# Altium PCB PCB1.PcbDoc
Units mm, origin at the board's own origin, x right, y up, seen from the top; angles counter-clockwise.
Board outline 65.5 x 46.25 mm, 2 copper layers (Top Layer, Bottom Layer); 45 components, 40 nets, 183 pads, 18 vias.
Unrouted connection lines stored in the file: 15.
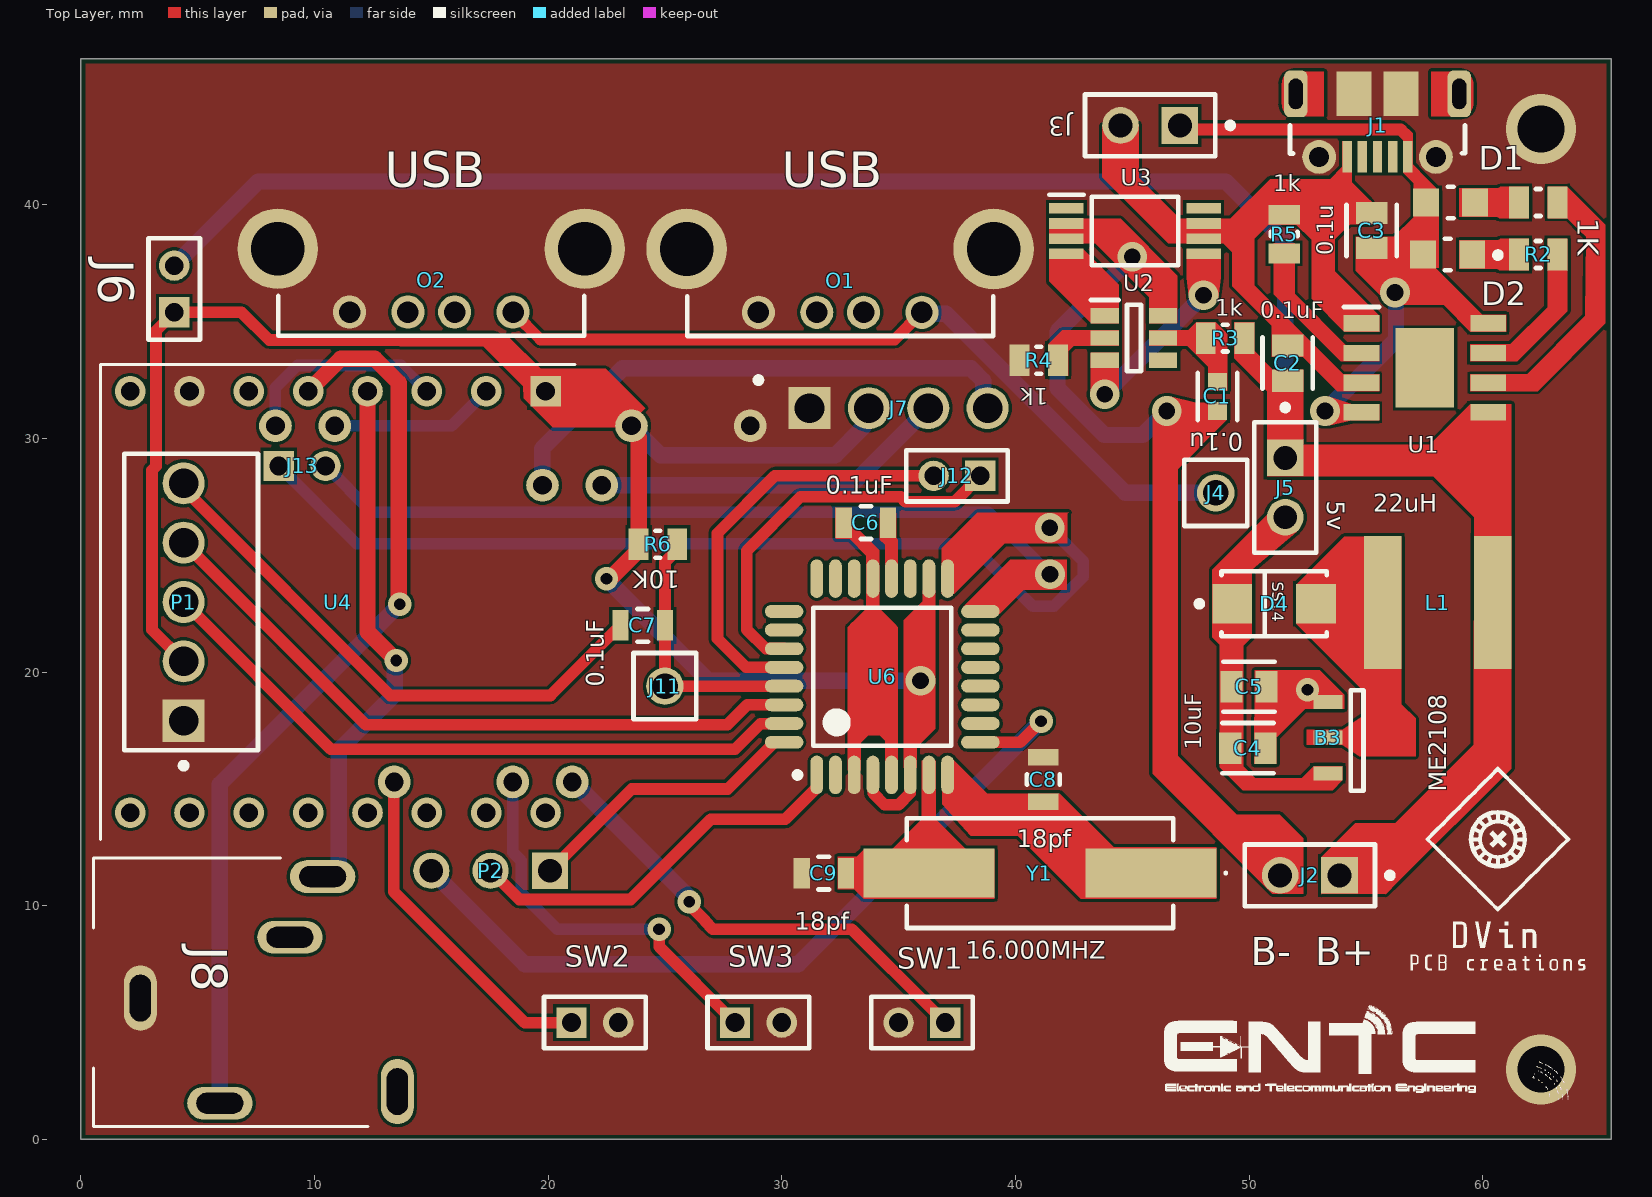
[diagram p0: Top Layer view]
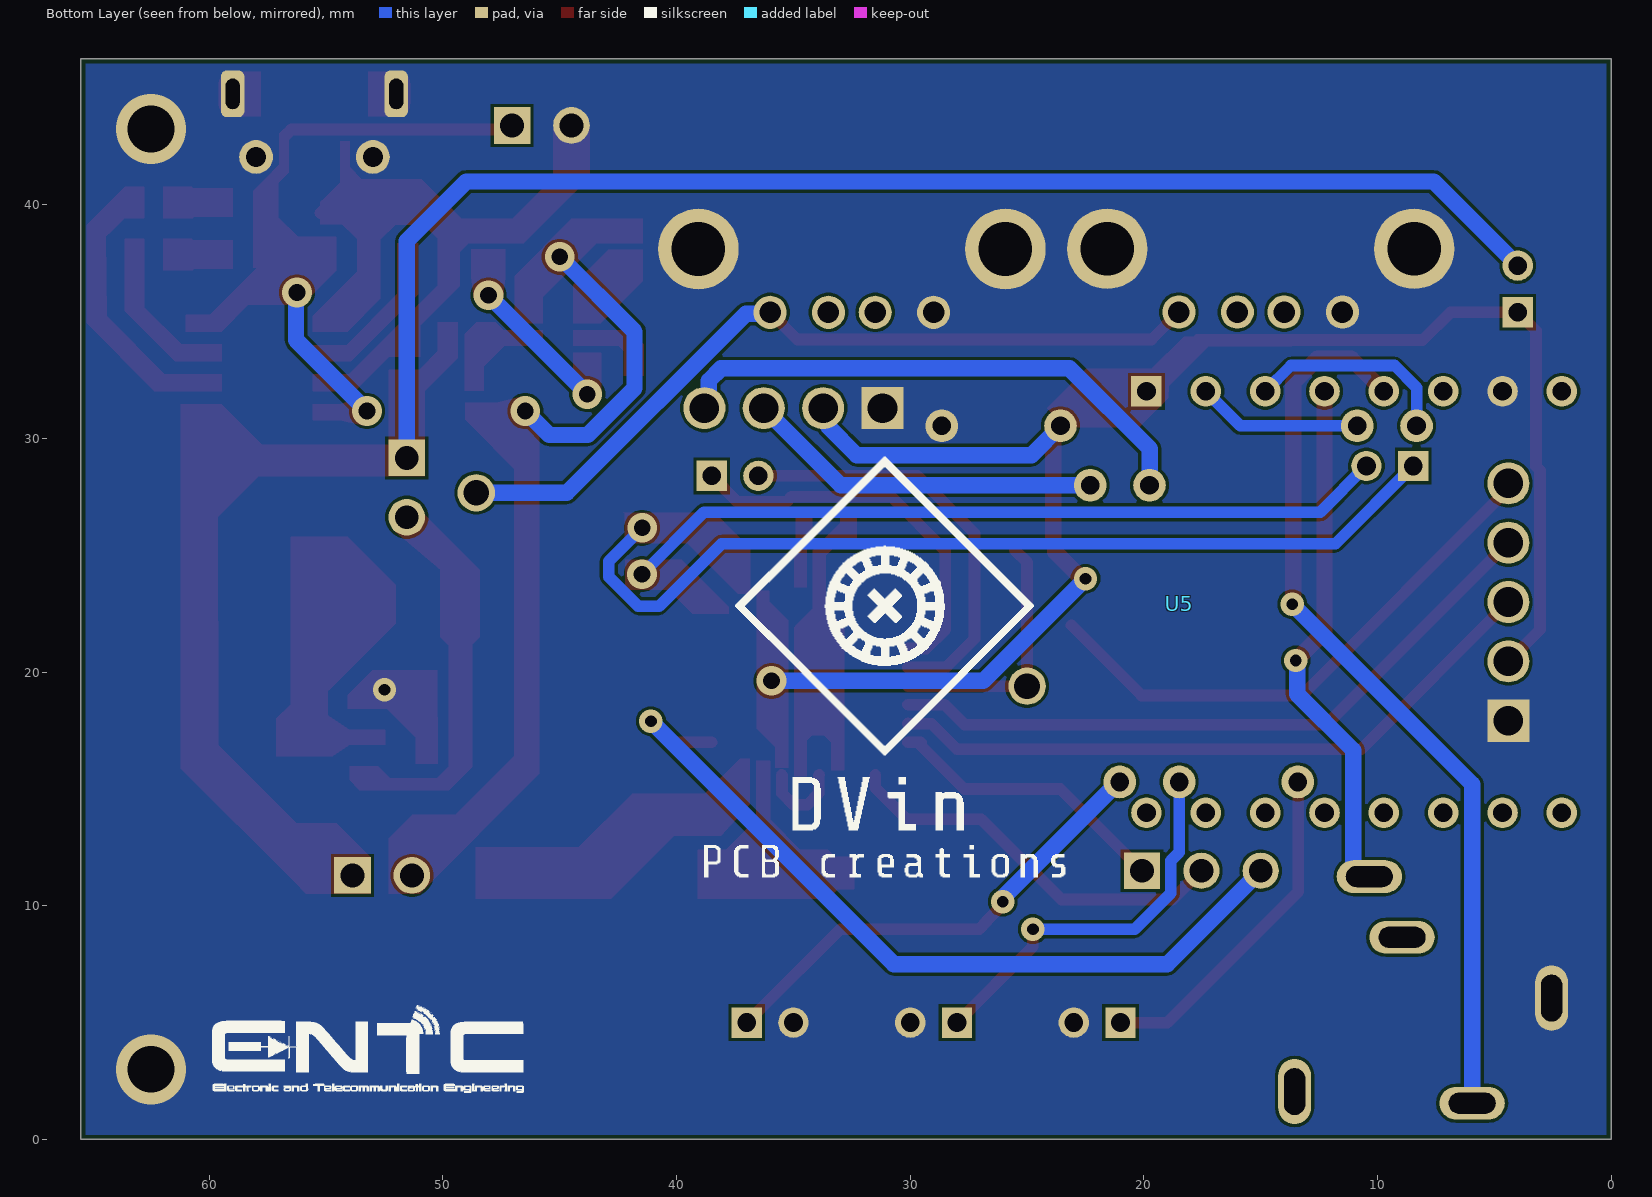
[diagram p1: Bottom Layer view, seen from below]
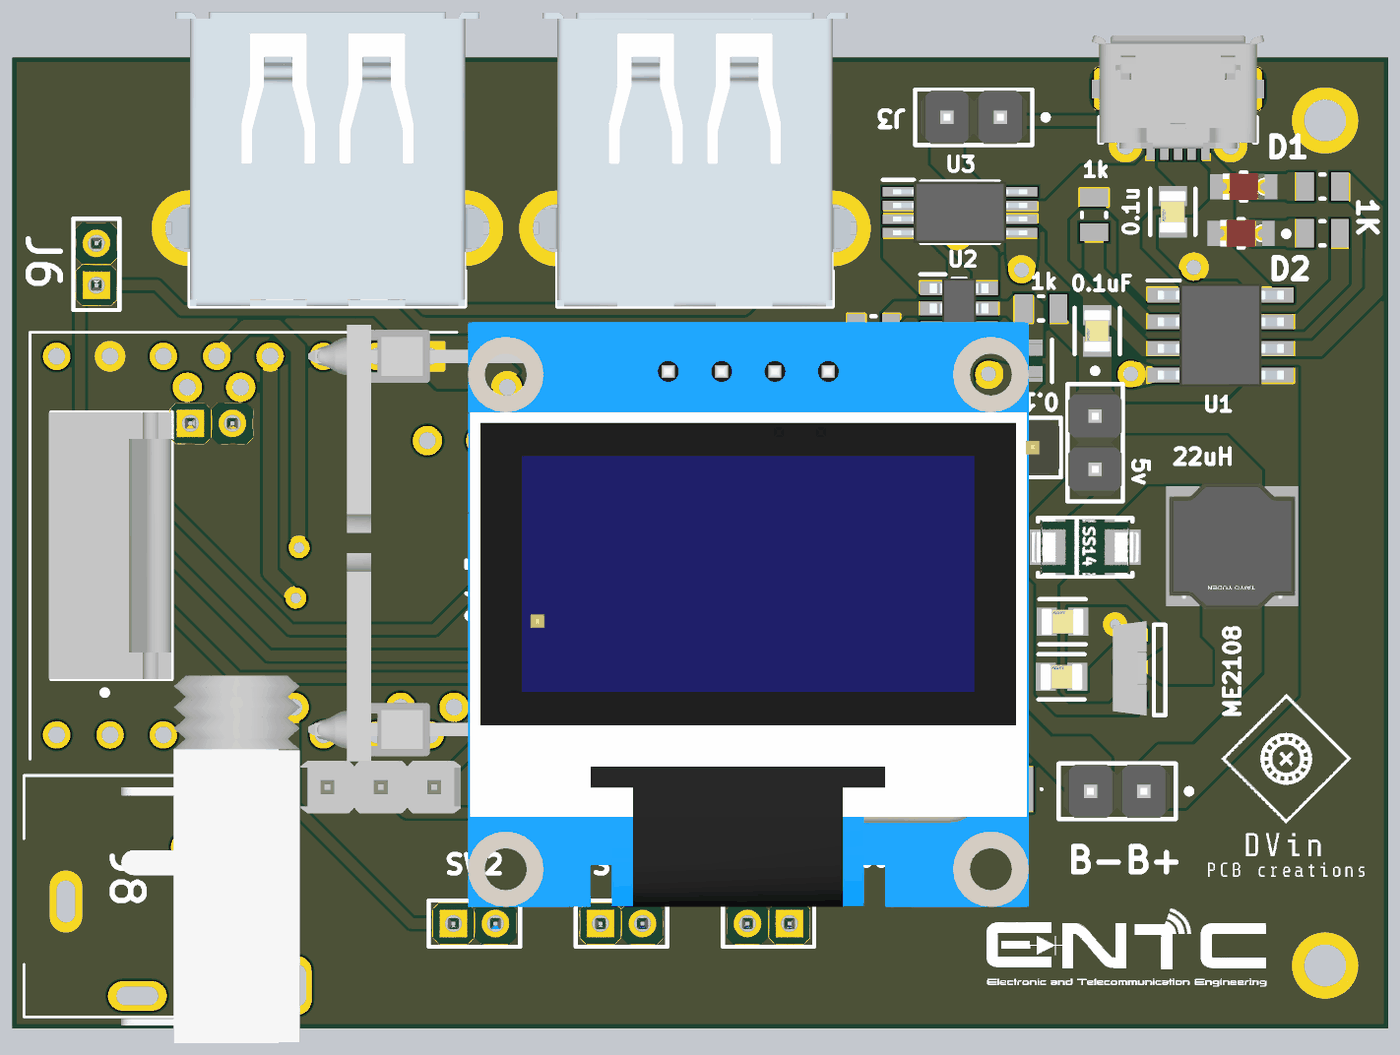
[diagram p2: 3D render of the assembled board from above, using the file's embedded part models]

## Layer stack, top to bottom
Top Solder: solder mask 0.0102, Solder Resist, Dk 3.5
Top Layer: signal copper 0.0356
Dielectric 1: dielectric 0.32, FR-4, Dk 4.8
Bottom Layer: signal copper 0.0356
Bottom Solder: solder mask 0.0102, Solder Resist, Dk 3.5

## Board outline
0,0 65.5,0 65.5,46.25 0,46.25

## Design rules (kind name [scope] priority, off if disabled: settings)
BoardOutlineClearance [All] p1: gap=0.2 ignorepadtopadclearanceinfootprint=FALSE
Clearance [All] p1: gap=0.127 ignorepadtopadclearanceinfootprint=FALSE except(0.25: Arc-Hole Track-Hole SMDPad-Hole THPad-Hole Via-Hole Fill-Hole Poly-Hole Region-Hole Text-Hole)
ComponentClearance [All] p1: gap=0.127 collisioncheckmode=3 verticalgap=0.127 showdistances=TRUE
DiffPairsRouting [All] p1: maxlimit=0.254 minlimit=0.127 mostfreqgap=0.127 toplayer_minwidth=0.127 toplayer_maxwidth=25.4 toplayer_prefwidth=0.127 bottomlayer_minwidth=0.127 bottomlayer_maxwidth=25.4 bottomlayer_prefwidth=0.127 maxuncoupledlength=12.7
Height [All] p1: minheight=0 maxheight=1816.048 prefheight=12.7
HoleSize [All] p1: absolutevalues=TRUE maxlimit=6.3 minlimit=0.3 maxpercent=80.000 minpercent=20.000
HoleToHoleClearance [All] p1: gap=0.25 allowstackedmicrovias=FALSE
MinimumAnnularRing [All] p1: minimumring=0.076
MinimumSolderMaskSliver [All] p1: minsoldermaskwidth=0
PlaneClearance [All] p1: clearance=0.127
PlaneConnect PlaneConnectPowerPads [InPadClass('PowerPads')] p1: planeconnectstyle=Direct reliefexpansion=0.508 reliefentries=4 reliefconductorwidth=0.254 reliefairgap=0.254
PlaneConnect [All] p2: pad.planeconnectstyle=Relief pad.reliefexpansion=0.3 pad.reliefentries=4 pad.reliefconductorwidth=0.127 pad.reliefairgap=0.127 via.planeconnectstyle=Direct via.reliefexpansion=0.3 via.reliefentries=4 via.reliefconductorwidth=0.127 via.reliefairgap=0.127
PolygonConnect PolygonConnectPowerPads [All vs (InPadClass('PowerPads'))] p1: connectstyle=Direct reliefconductorwidth=0.254 reliefentries=4 polygonreliefangle="90 Angle" airgapwidth=0.254
PolygonConnect [All] p2: connectstyle=Direct reliefconductorwidth=0.127 reliefentries=4 polygonreliefangle="90 Angle" airgapwidth=0.127
RoutingVias [All] p1: holewidth=0.3 width=0.6 viastyle="Through Hole" minholewidth=0.3 minwidth=0.6 maxholewidth=0.6 maxwidth=6.6
SilkToSilkClearance [All] p1: silktosilkclearance=0
SilkToSolderMaskClearance [IsPad] p1: minsilkscreentomaskgap=0.127 clearancetoexposedcopper=TRUE
SolderMaskExpansion [All] p1: expansion=0.075 istentingtop=FALSE
Width [All] p1: maxlimit=25.4 minlimit=0.127 preferedwidth=0.127 minimp=50.000000 maximp=50.000000 favimp=50.000000
20 further rules are at their usual default settings.

## Classes and differential pairs
component class MCU: C6 C7 C8 C9 J11 J12 J13 P1 P2 R6 U6 Y1
component class power: 0.1U 1K B3 C1 C2 C3 C4 C5 D1 D2 D4 in J3 J12 L1 O1 O2 R2 R3 R4 R5 U1 U2 U3
component class MP3: J1 J7 J12 SW1 SW2 SW3 U4 U5

## Components (designator, comment, footprint, x,y, rotation, side; value= is the part's Value field where it differs from the comment)
1K "1k" RESC2013X50X30LL20T20 62.375,40.1 r0 top
B3 "ME2108" SOT95P250X130-3N 53.375,18.73 r0 top
C1 "0.1u" FP-CL10-IPC_C 48.65,31.8 r270 top
C2 "0.1uF" FP-C0805C-DN-MFG 51.65,33.225 r90 top value="0.22 μF"
C3 "0.1u" FP-C0805C-DN-MFG 55.25,38.9 r90 top value="0.22 μF"
C4 "10uF" FP-C0805C-DN-MFG 49.95,16.75 r0 top value="0.22 μF"
C5 "10uF" FP-C0805C-DN-MFG 50,19.375 r0 top value="0.22 μF"
C6 "0.1uF" FP-GRM21B-0_15-MFG 33.6,26.4 r180 top
C7 "0.1uF" FP-GRM21B-0_15-MFG 24.05,22 r180 top
C8 "18pf" FP-GRM21B-0_15-MFG 41.2,15.4 r90 top
C9 "18pf" FP-GRM21B-0_15-MFG 31.8,11.4 r180 top
D1 "150080SS75000" FP-150080SS75000-MFG 58.625,40.1 r180 top
D2 "150080SS75000" FP-150080SS75000-MFG 58.5,37.875 r180 top
D4 "SS14" FP-95400-MFG 51.075,22.925 r0 top
J1 "105017-0001" USB-MICRO-B_V 55.5,43.4 r180 top
J2 "Battery" FP-M20-9990246-MFG 52.6,11.3 r180 top
J3 "Vin" FP-M20-9990246-MFG 45.77,43.4 r180 top
J4 "61300111121" 61300111121 48.575,27.675 r90 top
J5 "Output" FP-M20-9990246-MFG 51.55,27.9 r270 top
J6 "SW_Mp3_p" FP-M22-2510205-MFG 4,36.4 r90 top
J7 "OLED1" TECO-640456-4 35,31.3 r0 top locked
J8 "3.5 jack" SWITCHCRAFT_35RAPC3BH3 5.8,6.3 r0 top
J11 "61300111121" 61300111121 25,19.4 r90 top
J12 "Mp3_p" FP-M22-2510205-MFG 37.5,28.4 r180 top
J13 "Mp3_p" FP-M22-2510205-MFG 9.475,28.825 r0 top
L1 "22uH" FP-NR6045-MFG 58.075,22.975 r180 top
O1 "61400416021" 61400416021 32.5,41.39 r180 top
O2 "61400416021" 61400416021 15,41.4 r180 top
P1 "Program" TECO-640456-5 4.4,23 r270 top
P2 "Control" MOLX-22-28-4033_V 17.54,11.5 r180 top
R2 "1k" RESC2013X50X30LL20T20 62.375,37.875 r0 top
R3 "1k" RESC2013X50X30LL20T20 48.975,34.3 r180 top
R4 "1k" RESC2013X50X30LL20T20 41,33.35 r0 top
R5 "1k" RESC2013X50X30LL20T20 51.5,38.75 r270 top
R6 "10K" RESC2013X50X30LL20T20 24.7,25.475 r180 top
SW1 "Left" FP-M22-2510205-MFG 36,5 r180 top
SW2 "Select" FP-M22-2510205-MFG 22,5 r0 top
SW3 "Right" FP-M22-2510205-MFG 29,5 r0 top
U1 "TC4056A" SOIC127P600X175-9N 57.525,33.025 r0 top
U2 "DW01A" SOT95P280X135-6N 45.075,34.3 r0 top
U3 "FS8205A" SOP65P640X120-8N 45.175,38.75 r0 top
U4 "DFR0299" MODULE_DFR0299 11,23 r270 top
U5 "DEV_pro mini" "PCBComponent_1 - duplicate" 31.19,15.3 r90 bottom
U6 "ATmega328P-AN" 32A_N 34.3,19.8 r90 top
Y1 "16.000MHZ" ABLS 41.05,11.4 r180 top

## Footprints (in the part's own frame and the unit in brackets; to place one, negate y for a bottom-side part, rotate by r counter-clockwise, add the part's x,y. Pads: shape width x height; smd on the part's side, far side on the other; paste and mask are expansions set on the pad)
32A_N [mm] "Thin QFP, 32-Leads, Body 7x7mm, Pitch 0.8mm, IPC Medium Density"
  oval 1.65x0.55 smd: 1(-4.2,2.8) 2(-4.2,2) 3(-4.2,1.2) 4(-4.2,0.4) 5(-4.2,-0.4) 6(-4.2,-1.2) 7(-4.2,-2) 8(-4.2,-2.8) 17(4.2,-2.8) 18(4.2,-2) 19(4.2,-1.2) 20(4.2,-0.4) 21(4.2,0.4) 22(4.2,1.2) 23(4.2,2) 24(4.2,2.8)
  oval 0.55x1.65 smd: 9(-2.8,-4.2) 10(-2,-4.2) 11(-1.2,-4.2) 12(-0.4,-4.2) 13(0.4,-4.2) 14(1.2,-4.2) 15(2,-4.2) 16(2.8,-4.2) 25(2.8,4.2) 26(2,4.2) 27(1.2,4.2) 28(0.4,4.2) 29(-0.4,4.2) 30(-1.2,4.2) 31(-2,4.2) 32(-2.8,4.2)
  silkscreen extent -4.32,-2.95 2.95,3.75, body extent -3.5,-3.5 3.5,3.5, height 1.2
61300111121 [mm]
  round 1.6 hole 1.1: 1(0,0)
  silkscreen extent -1.42,-1.35 1.42,1.35, body extent -1.27,-1.27 1.27,1.27, height 8.57
61400416021 [mm]
  round 1.42 hole 0.92: 1(-3.5,5.99) 2(-1,5.99) 3(1,5.99) 4(3.5,5.99)
  round 3.45 hole 2.3: Shell(-6.57,3.28) Shell(6.57,3.28)
  silkscreen extent -6.55,5.3 6.55,7, body extent -8,-7 8,7, height 7.63
ABLS [mm]
  rect 5.6x2.1 smd: 1(-4.75,0) 2(4.75,0)
  silkscreen extent -8,-2.35 5.7,2.35, body extent -6.35,-2.35 6.35,2.35, height 4.2
FP-95400-MFG [mm]
  rect 1.7x1.68 smd paste+0 mask+0: 1(-1.79,0) 2(1.79,0)
  silkscreen extent -3.32,-1.4 2.25,1.4, body extent -2.74,-1.5 2.74,1.5, height 0.25
FP-150080SS75000-MFG [mm]
  rect 1.1x1.2 smd paste+0 mask+0: 1(-1.05,0) 2(1.05,0)
  silkscreen extent -0.13,-0.67 0.13,0.67, body extent -1.7,-0.77 1.7,0.77, height 0.25
FP-C0805C-DN-MFG [mm]
  rect 0.95x1.35 smd paste+0 mask+0: 1(-0.75,0) 2(0.75,0)
  silkscreen extent -1.1,-1.07 1.1,1.07, body extent -1.4,-0.85 1.4,0.85, height 0.25
FP-CL10-IPC_C [mm]
  rect 0.758x0.812 smd paste+0 mask+0: 1(-0.627,0) 2(0.627,0)
  silkscreen extent -1.01,-0.85 1.01,0.85, body extent -1.11,-0.55 1.11,0.55, height 0.25
FP-GRM21B-0_15-MFG [mm]
  rect 0.7x1.3 smd paste+0 mask+0: 1(-0.95,0) 2(0.95,0)
  silkscreen extent -0.23,-0.7 0.23,0.7, body extent -1.4,-0.8 1.4,0.8, height 0.25
FP-M20-9990246-MFG [mm]
  rect 1.57x1.57 hole 1.02 paste-1000 mask+0: 1(-1.27,0)
  round 1.57 hole 1.02 paste-1000 mask+0: 2(1.27,0)
  silkscreen extent -3.55,-1.32 2.79,1.32, body extent -2.89,-1.42 2.89,1.42, height 0.25
FP-M22-2510205-MFG [mm]
  rect 1.3x1.3 hole 0.8 paste-1000 mask+0: 1(-1,0)
  round 1.3 hole 0.8 paste-1000 mask+0: 2(1,0)
  silkscreen extent -2.17,-1.1 2.17,1.1, body extent -2.27,-1.2 2.27,1.2, height 0.25
FP-NR6045-MFG [mm]
  rect 1.6x5.7 smd paste+0 mask+0: 1(-2.35,0) 2(2.35,0)
  body extent -3.25,-3.2 3.25,3.2, height 0.25
MODULE_DFR0299 [mm]
  rect 1.308x1.308 hole 0.8: 1(-9.017,8.89)
  round 1.308 hole 0.8: 2(-9.017,6.35) 3(-9.017,3.81) 4(-9.017,1.27) 5(-9.017,-1.27) 6(-9.017,-3.81) 7(-9.017,-6.35) 8(-9.017,-8.89) 9(9.017,-8.89) 10(9.017,-6.35) 11(9.017,-3.81) 12(9.017,-1.27) 13(9.017,1.27) 14(9.017,3.81) 15(9.017,6.35) 16(9.017,8.89)
  silkscreen extent -10.16,-10.16 10.16,10.16, body extent -10.53,-13.06 10.27,10.4, height 5.8
MOLX-22-28-4033_V [mm] "THD, 3-Leads, Body 7.62x2.49mm, Pitch 2.54mm"
  rect 1.55x1.55 hole 1.02: 1(-2.54,0)
  round 1.55 hole 1.02: 2(0,0) 3(2.54,0)
  body extent -3.81,-1.24 3.81,1.24, height 8.38
"PCBComponent_1 - duplicate" [mm]
  round 1.4 hole 0.8: 5(0,-10.16) 6(0,-12.7) 8(0,-17.78) 15(15.24,-22.86) 16(15.24,-20.32) 21(15.24,-7.62) 23(15.24,-2.54) 25(12.7,-11.43) 26(12.7,-8.89)
RESC2013X50X30LL20T20 [mm] "Chip Resistor, 2-Leads, Body 2.00x1.25mm, IPC High Density"
  rect 0.85x1.35 smd: 1(-0.825,0) 2(0.825,0)
  silkscreen extent -0.1,-0.58 0.1,0.58, body extent -1.1,-0.72 1.1,0.72, height 0.5
SOIC127P600X175-9N [mm]
  rect 1.525x0.7 smd: 1(-2.712,1.905) 2(-2.712,0.635) 3(-2.712,-0.635) 4(-2.712,-1.905) 5(2.712,-1.905) 6(2.712,-0.635) 7(2.712,0.635) 8(2.712,1.905)
  rect 2.513x3.402 smd: 9(0,0)
  silkscreen extent -3.47,2.61 -1.95,2.61, body extent -3,-2.45 3,2.45, height 1.75
SOP65P640X120-8N [mm]
  rect 1.475x0.45 smd: 1(-2.993,1.102) 2(-2.993,0.452) 3(-2.993,-0.198) 4(-2.993,-0.848) 5(2.883,-0.848) 6(2.883,-0.198) 7(2.883,0.452) 8(2.883,1.102)
  silkscreen extent -3.73,-1.34 1.79,1.68, body extent -3.26,-1.34 3.15,1.59, height 1.2
SOT95P250X130-3N [mm]
  rect 1.25x0.6 smd: 1(0,0) 2(0,-1.53) 3(0,-3.06)
  Top Layer region: 0.625,-1.225 1.35,-0.725 3.75,-0.725 3.75,-2.325 1.35,-2.325 0.625,-1.825
  silkscreen extent 0.97,-3.81 1.53,0.5, body extent -0.72,-3.83 3.52,0.67, height 1.6
SOT95P280X135-6N [mm]
  rect 1.2x0.65 smd: 1(-1.25,0.95) 2(-1.25,0) 3(-1.25,-0.95) 4(1.25,-0.95) 5(1.25,0) 6(1.25,0.95)
  silkscreen extent -1.85,-1.43 0.3,1.63, body extent -1.4,-1.43 1.4,1.43, height 1.35
SWITCHCRAFT_35RAPC3BH3 [mm]
  oval 1.4x2.8 hole 0.9 slot 2 at 90 deg: 1(-3.25,-0.25) 4(7.75,-4.25)
  oval 2.8x1.4 hole 0.9 slot 2 at 0 deg: 2(4.55,4.95) 3(3.15,2.35) 5(0.15,-4.75)
  silkscreen extent -5.25,-5.75 6.5,5.75, body extent -8.61,-5.75 8.89,5.75, height 6
TECO-640456-4 [mm]
  rect 1.8x1.8 hole 1.27 paste+0: 1(-3.81,0)
  round 1.8 hole 1.27 paste+0: 2(-1.27,0) 3(1.27,0) 4(3.81,0)
  silkscreen extent -6.13,1.07 -5.87,1.33, body extent -13.35,-25.51 13.35,2.35, height 5
TECO-640456-5 [mm] "Through Hole, 5-Leads, Body 12.7x5.72mm, Pitch 2.54mm"
  rect 1.8x1.8 hole 1.27 paste+0: 1(5.08,0)
  round 1.8 hole 1.27 paste+0: 2(2.54,0) 3(0,0) 4(-2.54,0) 5(-5.08,0)
  silkscreen extent -6.35,-2.54 7.13,3.18, body extent -6.35,-2.67 6.35,3.18, height 10.29
USB-MICRO-B_V [mm] "USB, MICRO B, Body 7.491x4.695 mm, Pitch 0.65 mm"
  rect 0.4x1.35 smd: 1(-1.3,1.35) 2(-0.65,1.35) 3(0,1.35) 4(0.65,1.35) 5(1.3,1.35)
  round 1.45 hole 0.85: 6(-2.5,1.35) 7(2.5,1.35)
  rrect50% 1x2 hole 0.6 slot 1.3 at 90 deg: 8(-3.5,-1.35) 11(3.5,-1.35)
  rect 1.5x1.9 smd: 9(-1,-1.35) 10(1,-1.35)
  Top Layer circle w0.5: c3.6,-0.9 r0.25
  Top Layer circle w0.5: c3.6,-1.8 r0.25
  Top Layer circle w0.5: c-3.6,-0.9 r0.25
  Top Layer circle w0.5: c-3.6,-1.8 r0.25
  Top Layer region: -2.3,-2.3 -2.3,-0.4 -3.6,-0.4 -3.6,-2.3
  Top Layer region: 2.3,-0.4 2.3,-2.3 3.6,-2.3 3.6,-0.4
  Top Layer region: 3.6,-0.9 3.6,-1.8 4.1,-1.8 4.1,-0.9
  Top Layer region: -3.6,-1.8 -3.6,-0.9 -4.1,-0.9 -4.1,-1.8
  silkscreen extent -3.75,-0.01 3.75,1.2, body extent -4.1,-3.9 4.1,1.5, height 2.67

## Part data
1K R2 R3 R4 R5 R6: library part CMP-2001-04896-1, Manufacturer="Vishay Dale", Part Number=CRCW08050000Z0EA
B3: library part ME2108A33M3G, "6.5V 400mA SOT-23(SOT-23-3) DC-DC Converters RoHS", Manufacturer_Name=Microne, Datasheet Link=https://datasheet.lcsc.com/szlcsc/Nanjing-Micro-One-Elec-ME2108A50M3G_C14839.pdf, Geometry.Height=1.3mm, Manufacturer_Part_Number=ME2108A33M3G
C1: library part CMP-13271-003283-1, "Cap Ceramic 100nF 16V X7R ±5% Pad SMD 0603 +125°C T/R", Capacitance=100nF, Case/Package=0603, Dielectric=X7R, Max Operating Temperature=125°C, Min Operating Temperature=-55°C, Package Quantity=10000, Tolerance=5%, Voltage Rating=16V, Depth=0.8mm, Height=0.8mm, Lead Free="Lead Free", Length=1.6mm, Material=Ceramic, Mount="Surface Mount", Packaging="Tape and Reel", Radiation Hardening=No, Thickness=0.035inch, Voltage Rating (DC)=16V, Width=0.031inch
C2 C3 C4 C5: library part CMP-1036-04552-2, "CAP CER 0.22UF 50V X7R 0805", Capacitance="0.22 μF", Manufacturer=KEMET, Manufacturer Part Number=C0805C224K5RACTU, Package=C0805C-DN, Temperature="-55°C to +125°C", Temperature Characteristic=X7R, Temperature Coefficient=30ppm/°C, Temperature Range High=+125°C, Temperature Range Low=-55°C, Tolerance=0.1, Voltage Rating="50 V", Automotive=No, Category=Cap, ComponentLink2Description=Datasheet, ComponentLink2URL=https://content.kemet.com/datasheets/KEM_C1003_C0G_SMD.pdf, Device Class L1="Passive Components", Device Class L2=Capacitors, Device Class L3="Ceramic Capacitors", Digikey Description="CAP CER 0.22UF 50V X7R 0805", Height=0.88mm, Ipc Land Pattern Name=CAPC200125X78, Lead Free=Yes, Material=Ceramic, Mouser Description="CAP CER 0.22UF 50V X7R 0805", Octopart=https://octopart.com/c0805c224k5ractu-kemet-144670, RoHS=TRUE
C6 C7 C8 C9: library part CMP-2007-03385-2, "Chip Multilayer Ceramic Capacitors for General Purpose, 0805, 22uF, X5R, 15%, 20%, 6.3V", Capacitance=22uF, Case Code (Imperial)=0805, Case Code (Metric)=2012, Dielectric=X5R, Max Operating Temperature=85°C, Min Operating Temperature=-55°C, Package Quantity=1, Tolerance=20%, Voltage=6.3V, Case/Package=0805, Depth=1.25mm, Height=1.25mm, Lead Free="Lead Free", Length=2mm, Material=Ceramic, Mount="Surface Mount", Packaging="Tape and Reel", Radiation Hardening=No, REACH SVHC="No SVHC", Termination=SMD/SMT, Thickness=0.053inch, Voltage Rating=6.3V, Voltage Rating (DC)=6.3V, Width=0.049inch
D1 D2: library part CMP-1426-00010-2, "LED RED CLEAR 0805 SMD", Case Code (Imperial)=0805, Case Code (Metric)=2012, Color=Red, Forward Current=30mA, Forward Voltage=1.9V, Lens Color=Colorless, Max Operating Temperature=85°C, Min Operating Temperature=-40°C, Package Quantity=1, Test Current=20mA, Case/Package=0805, Dominant Wavelength=630nm, Height=0.8mm, Length=2mm, Lens Size=1.25mm, Lens Style=Clear, Lens Transparency=Clear, Luminous Intensity=60mcd, Mount="Surface Mount", Packaging="Cut Tape", RoHS Compliant=Yes, Series=WL-SMCW, Viewing Angle=140°, Wavelength=630nm, Width=1.25mm
D4: library part CMP-02539-000035-1, "DIODE SCHOTTKY 40V 1A DO214AC", Forward Current=1A, Manufacturer=Vishay, Manufacturer Part Number=SS14-E3/61T, Max Junction Temp=+150°C, Max Repetitive Reverse Voltage=40V, Max Surge Forward Current=40A, Package=95400, Peak Reverse Current=0.2mA, Temperature="-65°C to +150°C", Temperature Range Low=-65°C, Automotive=No, Category=Diode, ComponentLink2Description=Datasheet, ComponentLink2URL=http://www.vishay.com/docs/88746/ss12.pdf, Device Class L1="Discrete Semiconductors", Device Class L2=Diodes, Device Class L3="Schottky Diodes", Digikey Description="DIODE SCHOTTKY 40V 1A DO214AC", Footprint Url=http://www.vishay.com/docs/95400/sma.pdf, Height=2.29mm, Lead Free=Yes, Mouser Description="SS14 Series 40 V 1 A Surface Mount Schottky Barrier Rectifier - DO-214AC (SMA)", Octopart=https://octopart.com/ss14-e3%2F61t-vishay-39552847, RoHS=TRUE, Standoff Height=0mm, Temperature Range High=+150°C
J1: library part CMP-2000-05827-1, "Micro-USB B Receptacle, Right Angle, Bottom Mount, Surface Mount, with Solder Tabs, -30 to 85 degC, 5-Pin USB, RoHS, Tape and Reel", Manufacturer=Molex, Package Description="5-Leads USB, Micro B, Body 7.5 x 5 mm, Pitch 0.65 mm", Package Reference=MICRO-B, Package Version="Rev. F, 12/2012", Standard Package=1, Voltage - Max=30V, 3D Model=105017-0001.stp, Catalog Drawings=1050170001, Category=Connectors,Interconnects, Circuits=5, Connector Type=USB-microB, Datasheet URL=http://www.molex.com/elqNow/elqRedir.htm?ref=http://www.molex.com/webdocs/datasheets/pdf/en-us/1050170001_IO_CONNECTORS.pdf, Datasheet Version=03/2016, Family=USB,DVI,HDMIConnectors, Featured Product=Micro-USBConnectorsUSBConnectors, Features=Shielded,SolderRetention, Gender=Receptacle, Ingress Protection=-, Manufacturer URL=http://www.molex.com/, Mating Products=WM17145-ND-CABLEMICROUSBBTOSTDA1.0MWM17147-ND-CABLEMICROUSBBTOSTDA2.0MWM17146-ND-CABLEMICROUSBBTOSTDA1.5M, Mounting Technology=SurfaceMount, Mounting Type=BoardCutout,SurfaceMount,RightAngle, Number of Contacts=5, Online Catalog=Molex-MicroUSB, Other Names=WM1399DKR, Package URL=http://www.molex.com/pdm_docs/sd/1050170001_sd.pdf, Packaging=Digi-Reel®, PCN Assembly/Origin=ResinSupplier21/Oct/2015, RoHS Information=1050170001CertofCompliance, Series=-, Specifications=-
J2 J3 J5: library part CMP-15831-000009-1, "CONN HEADER VERT 2POS 2.54MM", Current Rating=3A, Manufacturer=Harwin, Manufacturer Part Number=M20-9990246, Temperature="-40°C to +105°C", Temperature Range High=+105°C, Temperature Range Low=-40°C, Automotive=No, Category=Conn, ComponentLink2Description=Datasheet, ComponentLink2URL=https://cdn.harwin.com/pdfs/M20-999.pdf, Conn Gender=Male, Conn Orientation=Vertical, Contact Material=Tin,Nickel, Device Class L1=Connectors, Device Class L2="Headers and Wire Housings", Device Class L3=unset, Digikey Description="CONN HEADER VERT 2POS 2.54MM", Height=8.99mm, Lead Free=Yes, Mouser Description="2.54mm (0.1\") Pitch SIL Vertical PC Tail Pin Header, 6.1mm mating pin height, tin, 2 contacts", Number of Contacts=2, Number of Rows=1, Octopart=https://octopart.com/m20-9990246-harwin-2590635, Package=M20-9990246, Pitch=2.54mm, RoHS=TRUE
J4 J11: library part CMP-1502-01058-1, "THT Vertical Pin Header WR-PHD, Pitch 2.54 mm, Single Row, 1 pins", Contact Resistance=20mOhm, Manufacturer="Wurth Elektronik", Operating Temperature=-40to105degC, Rated Current=3A, Withstanding Voltage=500VAC, Working Voltage=250VAC, Datasheet URL=https://katalog.we-online.de/em/datasheet/6130xx11121.pdf, Gender=Male, Manufacturer Part Number=61300111121, Manufacturer URL=http://www.we-online.de, Mounting Technology=THT, Orientation=Vertical, Package Reference=61300111121, Packaging=Bag, Part Number=61300111121, Pin Number=1, Pitch=2.54mm, Publisher=WurthElektronik, Row Number=Single
J6 J12 J13 SW1 SW2 SW3: library part CMP-15831-000005-1, "CONN HEADER VERT 2POS 2MM", Current Rating=2A, Manufacturer=Harwin, Manufacturer Part Number=M22-2510205, Package=0, Temperature="-40°C to +105°C", Temperature Range High=+105°C, Temperature Range Low=-40°C, Automotive=No, Category=Conn, ComponentLink2Description=Datasheet, ComponentLink2URL=https://cdn.harwin.com/pdfs/C018XX_M22_Series_Connectors.pdf, Conn Gender=Male, Conn Orientation=Vertical, Contact Material=Gold,Nickel, Device Class L1=Connectors, Device Class L2="Headers and Wire Housings", Device Class L3=unset, Digikey Description="CONN HEADER VERT 2POS 2MM", Footprint Url=https://cdn.harwin.com/pdfs/M22-251.pdf, Height=5.45mm, Lead Free=Yes, Mouser Description="Headers & Wire Housings 2 PIN SIL VERTICAL GOLD PIN HEADER", Number of Contacts=2, Number of Rows=1, Octopart=https://octopart.com/m22-2510205-harwin-2538221, Pitch=2mm, RoHS=TRUE
J7: library part CMP-2000-05419-1, "Male Header, Pitch 2.54 mm, 1 x 4 Position, Height 10.03 mm, Tail Length 3.56 mm, RoHS, Bulk", Color=White, Current, Rating="5 /  / A", Flammability Rating=UL94V-0, Manufacturer="TE Connectivity", Manufacturer Part Number=640456-4, Temperature, Operating="-55to+105 /  / degC", Voltage, Rating="250 /  / V", Agency Approvals=CSA,UL, Angle=Straight, Brand/Series=MTA-100Series, Color, Housing=White, Connector Type=MTA-100, Contact Centerline Spacing="0.100 /  / in.", Contact Mating Area Plating=Tin, Contact Plating=Tin, Contact Shape=Square, Contact Termination Area Plating=Tin, Datasheet URL=https://datasheet.ciiva.com/16286/eng-ds-82056-mta-0608-16286228.pdf, Datasheet Version=Dec-14, Length, Overall="0.4 /  / \"", Length, Pin="0.14 /  / \"", Length, Terminal Post="0.14 /  / in.", Manufacturer URL=http://www.te.com/, Material, Contact=CopperAlloy, Material, Housing=Polyester, Mount Angle=Vertical, Mounting Hole Size="0.04 /  / \"", Mounting Type=PCMount, Number of Contacts=4, Number of Positions=4, Number of Rows=1, Pin Spacing="0.1 /  / \"", Primary Type=InterconnectSystem, Size, Post="0.025 /  / in.", Special Features=Pinstrip, Standards=RoHSCompliant,ELVCompliant,UL94V-0, Termination=Solder, Type=PCBPlug
J8: library part 35RAPC3BH3, "3.50mm (0.141\", 1/8\", Mini Plug) - Headphone Phone Jack Stereo (3 Conductor, TRS) Connector Solder", Package=None, Availability=Unavailable, MP=35RAPC3BH3, Price=None
L1: library part CMP-14484-000872-1, "Shielded Wirewound Inductor 22uH 20% 1.5A 0.1495Ω SMD", Case/Package=Nonstandard, Current Rating=1.5A, DC Resistance (DCR)=149.5mR, Inductance Tolerance=20%, Max Operating Temperature=120°C, Min Operating Temperature=-25°C, Package Quantity=1500, Resistor Type=Wirewound, Saturation Current=1.9A, Self Resonant Frequency=7MHz, Test Frequency=100kHz, Core Material=Ferrite, Halogen Free="Halogen Free", Height=4.5mm, Height - Seated (Max)=0.177inch, Inductance=22uH, Length=0.236inch, Max DC Current=1.5A, Mount="Surface Mount", Number of Pins=2, Packaging="Tape and Reel", RMS Current (Irms)=1.5A, RoHS Compliant=Yes, Series=NR, Shielding=Shielded, Termination=SMD/SMT, Tolerance=20%, Width=0.236inch
O1 O2: library part CMP-1502-03227-1, "USB 2.0 Type A Receptacle WR-COM, Horizontal, THT", Contact Resistance=20mOhm, Manufacturer="Wurth Elektronik", Operating Temperature=-40to105degC, Rated Current=1.5A, Working Voltage=30VAC, Connector Type=USB2.0TypeA, Datasheet URL=https://katalog.we-online.de/em/datasheet/61400416021.pdf, Gender=Receptacle, Manufacturer Part Number=61400416021, Manufacturer URL=http://www.we-online.de, Mounting Technology=THT, Orientation=Horizontal, Package Reference=61400416021, Packaging=Tray, Part Number=61400416021, Publisher=WurthElektronik
P1: library part CMP-1684-00014-1, "Male Header, Pitch 2.54 mm, 1 x 5 Position, Height 10.03 mm, Tail Length 3.56 mm,  / -55 to 105 degC, RoHS, Bulk", Color=White, Current, Rating="5 /  / A", Flammability Rating=UL94V-0, Manufacturer="TE Connectivity", Package Description="Male Header, Pitch 2.54 mm, 1 x 5 Position, Height 10.03 mm, Tail Length 3.56 mm", Package Reference=THD, Temperature, Operating="-55to+105 /  / °C", Voltage, Rating="250 /  / V", Agency Approvals=CSA,UL, Angle=Straight, Brand/Series=MTA-100Series, Color, Housing=White, Connector Type=MTA-100, Contact Centerline Spacing="0.100 /  / in.", Contact Mating Area Plating=Tin, Contact Plating=Tin, Contact Shape=Square, Contact Termination Area Plating=Tin, Datasheet URL=http://sigma.octopart.com/77881742/technical_drawing/TE-Connectivity-640456-5.pdf, Datasheet Version="Rev. W3", Length, Overall="0.5 /  / \"", Length, Pin="0.14 /  / \"", Length, Terminal Post="0.14 /  / in.", Manufacturer URL=http://www.te.com, Material, Contact=CopperAlloy, Material, Housing=Polyester, Mount Angle=Vertical, Mounting Hole Size="0.04 /  / \"", Mounting Type=PCMount, Number of Contacts=5, Number of Positions=5, Number of Rows=1, Pin Spacing="0.1 /  / \"", Primary Type=InterconnectSystem, Size, Post="0.025 /  / in.", Special Features=Pinstrip, Standards=RoHSCompliant,ELVCompliant,UL94V-0, Termination=Solder, Type=PCBPlug
P2: library part CMP-1676-00001-5, "Male Header, Pitch 2.54 mm, 1 x 3 Position, Height 8.38 mm, Tail Length 3.18 mm, RoHS, Bulk", Colour=Black, Current Rating="4 A", Manufacturer=Molex, Max Operating Temperature="75 degC", Min Operating Temperature="0 degC", Package Quantity=1, Voltage Rating="250 V", ComponentLink1Description="Manufacturer URL", ComponentLink1URL=http://www.molex.com/, ComponentLink2Description=Datasheet, ComponentLink2URL=http://www.molex.com/pdm_docs/sd/022284033_sd.pdf, Contact Finish=Gold, Contact Material=Brass, Contact Plating=Gold, DatasheetVersion="Rev. G, 01/2012", Height="8.38 mm", Lead Pitch="0.1 inch", Length="7.62 mm", Mount="Through Hole", Mounting Technology="Through Hole", PackageDescription="Male Header, Pitch 2.54 mm, 1 x 3 Position, Height 8.38 mm, Tail Length 3.18 mm", PackageReference=22-28-4033, Packaging=Bulk, Pins=3, REACH SVHC=Unknown, RoHSCompliant=true, Rows=1
U1: "Integrated Circuit", Manufacturer_Name="Shenzhen Fuman Elec", Height=1.75mm, Manufacturer_Part_Number=TC4056A
U2: library part DW01A-G, "Integrated Circuit", Manufacturer_Name="Fortune Semiconductor Corporation", Datasheet Link=http://acoptex.com/uploads/DW01A.pdf, Height=1.35mm, Manufacturer_Part_Number=DW01A-G
U3: "MOSFET (N-Channel)", Manufacturer_Name="Fortune Semiconductor Corporation", Datasheet Link=http://www.ic-fortune.com/upload/Download/FS8205A-DS-12_EN.pdf, Height=1.2mm, Manufacturer_Part_Number=FS8205A
U4: "Dfplayer - a Mini Mp3 Player", Package=None, Availability=Unavailable, MP=DFR0299, Price=None
U6: library part CMP-0095-00620-1, "8-bit AVR Microcontroller, 32KB Flash, 1KB EEPROM, 2KB SRAM, 32-pin TQFP, Industrial Grade (-40°C to 105°C)", Code_JEDEC=MS-026-ABA, ComponentLink1Description="Manufacturer URL", ComponentLink1URL=http://www.atmel.com/, ComponentLink2Description="ATmega48A/48PA/88A/88PA/168A/168PA/328/328P Datasheet", ComponentLink2URL=http://www.atmel.com/dyn/resources/prod_documents/8271.pdf, ComponentLink3Description="ATmega48A/48PA/88A/88PA/168A/168PA/328/328P Summary", ComponentLink3URL=http://www.atmel.com/dyn/resources/prod_documents/8271S.pdf, DatasheetVersion="revD, May-2011", PackageDescription="32-Lead, 7x7x1.0 mm Body, 0.8mm Lead Pitch, Thin Profile Plastic Quad Flat Package (TQFP)", PackageReference=32A, PackageVersion="revC, Oct-2010"
Y1: library part ABLS-16.000MHZ-B4-T, "Crystal or Oscillator", Manufacturer_Name=ABRACON, Mouser Part Number=815-ABLS-16.0M-T, Arrow Part Number=ABLS-16.000MHZ-B4-T, Arrow Price/Stock=https://www.arrow.com/en/products/abls-16.000mhz-b4-t/abracon?region=nac, Datasheet Link=https://abracon.com/Resonators/abls.pdf, Manufacturer_Part_Number=ABLS-16.000MHZ-B4-T, Mouser Price/Stock=https://www.mouser.co.uk/ProductDetail/ABRACON/ABLS-16.000MHZ-B4-T?qs=yTU0IcKoRlG0YVGkrvdZTQ%3D%3D

## Via types
v1: diameter 1.27, hole 0.711, Top Layer to Bottom Layer, 9 vias
v2: diameter 1, hole 0.5, Top Layer to Bottom Layer, 7 vias
v3: diameter 3, hole 2, Top Layer to Bottom Layer, 2 vias

## Nets (pads, with @x,y where several pads share a name; then routed paths per layer and width w, separated by ;. In a path a pad name is that pad's centre, name@x,y a point inside that pad or via, vN(x,y) a via of type N, cw(c..) or ccw(c..) an arc to the next point about the centre after c; other vN are vias at no path point)
5V: B3.3 C4.1 C5.1 D4.1 J5.2
5V_mp3: J6.1 J7.2 P1.2 R6.2 U4.1 U5.21 U6.4 U6.6 U6.18 | length 68.1
  Top Layer w0.5: P1.2 3.047,21.813 3.047,28.641 3.217,28.811 3.217,34.617 J6.1 6.875,35.4 8.058,34.217 17.69,34.217 ; U6.4 33.91,15.59 33.91,14.811 34.398,14.322 35.002,14.322 35.49,14.811 35.49,15.59 U6.6
  Top Layer w0.7: v2@22.508,24 22.565,24.057 22.715,24.057 23.8,25.142 23.8,25.4 R6.2 23.875,30.046 23.57,30.351 U5.21
  Bottom Layer w0.7: v2(22.5,24) 26.876,19.624 v1(35.94,19.624) ; U5.21@23.56,30.54 24.813,29.287 32.287,29.287 33.52,30.52 33.52,31.09 J7.2
A4: J12.1 U6.27 | length 16.8
  Top Layer w0.5: U6.27 30.09,21.01 29.311,21.01 28.5,21.82 28.5,25.2 30.803,27.503 35.088,27.503 35.294,27.297 37.397,27.297 J12.1
A5: J12.2 U6.28 | length 18.1
  Top Layer w0.5: U6.28 30.09,20.21 28.47,20.21 27.25,21.429 27.25,25.95 29.7,28.4 J12.2
B-: C1.2 J2.2 U2.6 U3.2 U3.3 | length 12.9
  Bottom Layer w0.7: v1(45,37.775) 41.8,34.575 41.8,32.15 43.8,30.15 45.45,30.15 v1(46.475,31.175)
D2: P2.1 U6.32 | length 12.4
  Top Layer w0.5: P2.1 23.58,15 27.691,15 29.54,16.85 29.54,16.977 29.564,17 U6.32
D3: P2.2 U6.1 | length 17
  Top Layer w0.5: P2.2 18.768,10.272 23.532,10.272 26.96,13.7 30.15,13.7 31.5,15.05 U6.1
D5: P2.3 U6.9 | length 35
  Top Layer w0.5: U6.9 40.2,17 v2(41.1,17.9)
  Bottom Layer w0.7: P2.3 19,7.5 30.7,7.5 v2(41.1,17.9)
DAC_L: J8.5 U4.5 | length 38.9
  Top Layer w0.7: U4.5 11.126,33.413 12.581,33.413 13.603,32.391 13.603,22.954 v2(13.654,22.903)
  Bottom Layer w0.7: J8.5 5.95,15.2 v2(13.654,22.903)
DAC_R: J8.2 U4.4 | length 22.8
  Top Layer w0.7: U4.4 12.27,21.73 v2(13.5,20.5)
  Bottom Layer w0.7: J8.2 10.718,11.25 11.042,11.573 11.042,16.662 13.443,19.063 13.443,20.443 v2(13.5,20.5)
DTR: C7.2 P1.5 | length 23.8
  Top Layer w0.5: P1.5 4.4,27.849 13.249,19 20.1,19 C7.2
GND: B3.1 C2.2 C3.2 C4.2 C5.2 C6.2 C8.2 C9.2 J1.5 J1.6 J1.7 J1.8 J1.9 J1.10 J1.11 J3.2 J7.1 J8.1 O1.4 O1.Shell O2.4 O2.Shell P1.1 R4.1 R5.1 SW1.2 SW2.2 SW3.2 U1.1 U1.3 U3.6 U3.7 U4.7 U5.23 U6.3 U6.5 U6.21 | length 0.3
  Top Layer w0.5: C3.2@55.025,39.875 C3.2
  other v2: 52.5,19.25
  other v3: 62.5,3 62.5,43.25
Left: SW1.1 U5.5 | length 19.7
  Top Layer w0.5: v2(26.045,10.179) 26.045,10.044 26.7,9.389 26.7,9.354 27.053,9 33,9 SW1.1@36.518,5.482
  Bottom Layer w0.5: v2(26.045,10.179) v2@26.045,10.227
  Bottom Layer w0.7: U5.5@21.02,15.252 21.13,15.252 25.988,10.394 25.988,10.284 v2@26.045,10.227
MISO: J13.2 U6.16 | length 32.9
  Bottom Layer w0.5: J13.2 12.455,26.845 38.83,26.845 v1(41.481,24.194)
MP3_Rx: U4.2 U5.16 | length 7.1
  Bottom Layer w0.5: U5.16@10.86,30.54 15.873,30.54 U4.2
MP3_Tx: U4.3 U5.15 | length 9
  Bottom Layer w0.5: U5.15@8.32,30.54 8.32,32.173 9.271,33.124 13.703,33.124 U4.3
Net1K_1: 1K.1 D1.1
Net1K_2: 1K.2 U1.6
NetB3_2: B3.2 D4.2 L1.2
NetC1_1: C1.1 R3.2 U2.5
NetC6_1: C6.1 U6.20
NetC8_1: C8.1 U6.8 Y1.1
NetC9_1: C9.1 U6.7 Y1.2
NetD2_1: D2.1 R2.1
NetJ4_1: J4.1 O1.1 O2.1 | length 34.2
  Top Layer w0.5: O2.1 19.673,34.237 34.837,34.237 O1.1
  Bottom Layer w0.7: O1.1 36.057,35.343 37.032,35.343 44.7,27.675 J4.1
NetR2_2: R2.2 U1.7
NetR4_2: R4.2 U2.2
NetR5_2: R5.2 U1.2 | length 0.1
  Top Layer w0.5: U1.2@54.713,33.76 U1.2
NetU2_1: U2.1 U3.4
NetU2_3: U2.3 U3.5 | length 6
  Bottom Layer w0.7: v1(43.825,31.9) v1(48.05,36.125)
Out+/B+: C2.1 J2.1 J5.1 J6.2 L1.1 R3.1 U1.5 | length 59.4
  Bottom Layer w0.7: J6.2 7.6,41 49,41 51.55,38.45 J5.1
Reset: C7.1 J11.1 R6.1 U6.29 | length 11.4
  Top Layer w0.5: R6.1 25.525,25.225 25,24.7 C7.1 J11.1 U6.29
Right: SW3.1 U5.6 | length 16.8
  Top Layer w0.5: v2(24.75,9) 24.759,8.991 24.759,8.241 SW3.1
  Bottom Layer w0.5: U5.6@18.48,15.3 18.48,12.297 18.852,11.925 18.852,10.537 20.389,9 v2(24.75,9)
RXI: P1.4 U6.30 | length 29.3
  Top Layer w0.5: P1.4 12.19,17.75 27.675,17.75 28.525,18.6 U6.30
SCK: J13.1 U6.17 | length 40.1
  Bottom Layer w0.5: J13.1 11.8,25.5 38.075,25.5 40.75,22.825 41.65,22.825 42.9,24.075 42.9,24.75 v1(41.475,26.175)
SCL: J7.3 U5.26 | length 15.3
  Bottom Layer w0.7: U5.26@22.29,28 32.97,28 J7.3
SDA: J7.4 U5.25 | length 23.3
  Bottom Layer w0.7: U5.25@19.75,28 19.75,29.568 23.182,33 38.098,33 38.625,32.473 38.625,31.485 J7.4
Select: SW2.1 U5.8 | length 14.6
  Top Layer w0.5: U5.8@13.4,15.3 13.4,10.6 19,5 SW2.1
TXO: P1.3 U6.31 | length 28.8
  Top Layer w0.5: P1.3 10.7,16.7 28,16.7 29.09,17.79 30.09,17.79 U6.31
Vbus: C3.1 D1.2 D2.2 J1.1 J3.1 U1.4 U1.8 | length 17.8
  Top Layer w0.5: J3.1 47.212,43.228 56.488,43.228 56.645,43.07 ; J1.1@56.979,41.404 57.45,40.934 D1.2@57.45,39.9
  Bottom Layer w0.7: v1(53.25,31.175) 56.29,34.215 56.29,36.21 v1(56.25,36.25)
pads on no net: J1.2 J1.3 J1.4 J8.3 J8.4 O1.2 O1.3 O2.2 O2.3 U1.9 U2.4 U3.1 U3.8 U4.6 U4.8 U4.9 U4.10 U4.11 U4.12 U4.13 U4.14 U4.15 U4.16 U6.2 U6.10 U6.11 U6.12 U6.13 U6.14 U6.15 U6.19 U6.22 U6.23 U6.24 U6.25 U6.26

## Polygon pours and split planes (outlines as drawn)
GND on Bottom Layer "GND_L02_P000" (solid, pour order 0): 0,46.25 0,0 65.5,0 65.5,46.25
GND on Top Layer "GND_L01_P001" (solid, pour order 1): 0,46.25 0,0 65.5,0 65.5,46.25

## Other copper
Top Layer:
  region net GND: 54,42.725 54.4,42.725 54.4,40.975 55.087,40.287 54.575,39.775 55.087,40.287 55.25,40.125 55.25,39.175 52.075,39.175 52.075,41.1 53.475,41.1 54,41.625 54,41.95
  region net NetR4_2: 41.4,34.025 42,34.625 44.425,34.625 44.425,33.975 42.254,33.975 42.254,32.675 41.4,32.675
  region net 5V_mp3: 18.935,32.235 17.221,33.95 13.65,33.95 13.65,34.325 13.675,34.35 18.3,34.35 19.675,32.975
  region net 5V_mp3: 18.935,32.235 19.675,32.975 22.475,32.975 24.15,31.3 23.325,30.475 20.2,30.475 18.95,31.725
  region net NetC6_1: 34.2,25.675 34.425,25.45 34.425,23.625 34.975,23.625 34.975,25.675 34.9,25.75 34.9,26.8 34.2,26.8
  region net GND: 32.3,27.025 32.3,25.725 32.325,25.7 32.9,25.7 33.625,24.975 33.625,23.425 34.175,23.425 34.175,25.225 33,26.4 33,27.025
  region net GND: 34.425,22.175 34.725,22.175 34.975,21.925 34.975,15.55 34.425,15.55
  region net GND: 33.625,24.075 34.175,24.075 34.175,21.075 34,20.9 33.8,20.9 33.625,21.075
  region net GND: 32.825,15.8 32.825,21.925 33.025,22.125 33.375,21.775 33.375,15.8
  region net 5V_mp3: 36.575,23.475 36.025,23.475 36.025,22.725
  region net 5V_mp3: 35.775,15.9 35.775,16.775 36.575,17.575 36.575,23.475 36.475,23.475 35.225,22.225 35.225,15.9
  region net MISO: 42.2,24.8 39.775,24.8 37.775,22.8 37.775,22.5 39.325,22.5 40.35,23.525 42.2,23.525
  region net SCK: 37.375,23.35 39.55,25.525 42.225,25.525 42.225,26.775 42.275,26.825 38.375,26.825 36.85,25.3 36.85,23.35
  region net B-: 49.05,30.8 46.6,28.35 46.575,28.35 46.575,30.825 46.95,31.2 46.977,31.173 48.65,31.173
  region net B-: 52.325,12.9 51.325,13.9 49.475,13.9 46.95,16.425 46.95,31.2 45.875,31.2 45.875,15.65 51,10.525 52.325,10.525
  region net Out+/B+: 53.1,12.075 53.1,10.5 53.125,10.525 55.85,10.5 56.375,11.025 61.225,15.875 61.225,22.2 59.625,22.2 59.625,16.9 56.25,13.525 54.55,13.525
  region net NetC9_1: 36.6,16.2 36.6,13.7 37.9,12.4 39.1,12.4 39.1,10.3 33.5,10.3 33.1,10.7 32.4,10.7 32.4,12.1 33.2,12.1 33.5,12.4 34.7,12.4 36,13.7 36,16.2
  region net GND: 33.7,22.8 32.9,22 32.9,17 33.4,17 33.7,17.3 34.2,17.3 34.5,17 34.9,17 34.9,22 34.1,22.8
  region net NetC8_1: 36.872,14.35 36.872,16.3 37.3,16.3 38.8,14.8 41.9,14.8 44.2,12.5 48.6,12.5 48.6,10.3 42.8,10.3 40.1,13 38.1,13
  region net 5V: 48.75,20.526 48.75,15.925 49.725,14.95 53.575,14.95 54,15.375 54,15.975 52.775,15.975 52.25,15.45 50.275,15.45 49.75,15.975 49.75,20.575
  region net 5V: 48.425,24.375 51.1,27.05 52.125,27.05 52.05,26 50.125,24.375
  region net Out+/B+: 57.902,28.373 59.65,26.625 59.65,20.1 61.225,20.1 61.225,31.475 60.675,31.475
  region net Out+/B+: 52.125,28.375 58.65,28.375 61,30.725 61,31.475 59.475,31.475 57.725,29.725 50.775,29.725
  region net NetB3_2: 52.475,17.525 54,17.525 54.925,18.15 54.925,19.175 54.875,19.225 52.025,22.075 52.025,23.75 54.075,25.8 56.525,25.8 56.525,18.625 57.125,18.025 57.125,16.405 54.725,16.405 54,16.9 52.475,16.9
  region net 5V: 49.75,20.525 49.75,21.125 50.125,21.5 50.125,24.375 48.425,24.375 48.425,21.5 48.75,21.175 48.75,20.475
  region net GND: 50.225,16.075 51.175,16.075 51.175,17.2 52.4,18.425 54.075,18.425 54.075,19.025 53.025,20.075 50.25,20.075
  region net Out+/B+: 52.325,32.95 52.325,28.375 50.775,28.375 50.775,32.425
  region net B-: 47.65,30.8 46.6,30.55 46.6,31.8 47.65,31.55
  region net B-: 49.05,31.537 49.05,30.8 46.25,30.8 46.125,30.925 46.125,31.4 46.287,31.562
  region net B-: 41.45,39.4 41.45,38.35 43.425,38.35 45.725,36.05 45.725,34.925 46.9,34.925 46.925,34.95 46.925,36.975 44.5,39.4
  region net NetC1_1: 47.757,33.568 48.25,33.075 48.25,32.05 49.075,32.05 49.075,34.475 48.575,34.975
  region net Out+/B+: 49.375,34.975 50.225,34.975 50.225,33.75 51.025,32.95 52.325,32.95 52.325,32 50.8,32 49.375,33.425
  region net GND: 50.975,35 51.45,35 52.45,34 52.275,33.825 52.275,33.5 50.975,33.5
  region net NetU2_3: 43.225,33.675 43.225,31.9 44.425,31.9 44.425,33.675
  region net NetU2_3: 47.325,38.1 47.325,36.875 47.425,36.125 48.675,36 48.8,36.9 48.8,38.1
  region net NetC1_1: 45.725,34.625 47.4,34.625 47.75,34.975 48.575,34.975 48.575,33.65 48.125,33.2 47.35,33.975 45.725,33.975
  region net NetR4_2: 42.625,34.1 42.125,33.6 42.025,33.7 42.025,34.275
  region net NetU2_1: 41.45,38.075 42.925,38.075 44.425,36.575 44.425,34.925 43.25,34.925 41.45,36.725
  region net GND: 43.725,43.4 43.725,41.175 46.55,38.35 47.825,38.35 47.825,39.4 47.8,39.4 47.025,39.4 45.275,41.15 45.275,43.45
  region net GND: 48.9,38.35 49.5,37.75 50.175,37.75 50.225,37.8 50.225,38.55 50.825,39.15 52.325,39.15 52.725,39.55 52.725,41.1 50.9,41.1 49.2,39.4 47.325,39.4 47.325,38.35
  region net Net1K_2: 59.475,32.75 61.9,32.75 64.4,35.25 64.425,38.625 64.15,38.9 63.625,39.425 62.775,39.425 62.775,40.775 63.625,40.775 65.25,39.15 65.25,34.925 62.35,32.025 59.475,32.025
  region net NetR2_2: 62.775,35.625 61.175,34.025 59.475,34.025 59.475,33.3 61.475,33.3 63.625,35.45 63.625,38.55 62.775,38.55
  region net GND: 50.825,39.15 50.225,38.55 50.225,36.55 54.025,32.75 55.575,32.75 55.575,32.025 53.775,32.025 49.275,36.525 49.275,38.325
  region net NetR5_2: 51.05,38.35 51.05,36.175 53.925,33.3 55.575,33.3 55.575,34 54.15,34 51.95,36.2 51.95,38.35
  region net GND: 52.025,39.15 52.025,41.1 53.175,41.1 54.675,39.6 54.675,39.3 54.45,39.3 53.675,38.525 53.675,37.15 55.575,35.25 55.575,34.575 54.075,34.575 52.675,35.975 52.675,38.5
  region net Vbus: 55.575,31.475 55.575,30.775 54.425,30.775 53.4,30.55 53.4,31.8 54.425,31.475
  region net Vbus: 54.575,37.175 56.025,35.725 58.325,35.725 59.475,34.575 61,34.575 61,35.3 59.975,35.3 57.575,37.7 54.575,37.7
  region net NetD2_1: 59,38.475 59,37.275 60.625,37.275 60.7,37.2 61.975,37.2 61.975,38.55 60.75,38.55 60.675,38.475
  region net Net1K_1: 59,40.7 59,39.5 60.625,39.5 60.7,39.425 61.975,39.425 61.975,40.775 60.75,40.775 60.675,40.7
  region net Vbus: 58.125,37.3 54.975,37.3 54.575,37.7 54.575,38.625 56.2,38.625 57.05,39.475 57.05,40.925 56.6,41.375 56.962,41.737 57,41.737 57,41.725 58.125,40.6
  region net Vbus: 56.6,42.775 56.6,41.375 57.2,40.775 57.3,40.775 57.3,41.437 57,41.737 57,43.064 56.836,43.228 56.147,43.228

## Silkscreen, mask and mechanical layers (free items; w line width, h text height)
Top Overlay:
  drawing of 318 lines, arcs and shapes, not listed
  text "USB" at 13.004,40.754 h1.52
  text "USB" at 30.004,40.754 h1.52
  text "5v" at 53.354,27.346 h0.75 r270
  text "B-" at 50.079,7.454 h1.2
  text "B+" at 52.829,7.454 h1.2
Bottom Overlay:
  drawing of 155 lines, arcs and shapes, not listed
Mechanical 1:
  lines w0.254: 0.15,0.175 23.862,0.175 43.537,0.175 65.35,0.175 65.35,46.075 0.15,46.075 0.15,0.175
Bottom Assembly:
  drawing of 16 lines, arcs and shapes, not listed

## Text inside footprints (layer, text, board x,y; h text height)
J1: Mechanical 1 "PCB EDGE" at 62.7,46.3 h0.3 r180
O1: Mechanical 2 "PCB Edge" at 34.7,49.61 h0.81 r180
O2: Mechanical 2 "PCB Edge" at 17.2,49.62 h0.81 r180